# Altium PCB KlusterLab r2.0.PcbDoc (part 6 of 22)
Units mm, origin at the board's own origin, x right, y up, seen from the top; angles counter-clockwise.
Board outline 232 x 250 mm, 12 copper layers (L1 Top, L2 Inner1 (GND), L3 Inner2 (Sig), L4 Inner3 (GND), L5 Inner4 (PWR), L6 Inner5 (PWR), L7 Inner6 (PWR), L8 Inner7 (PWR), L9 Inner8 (GND), L10 Inner9 (Sig), L11 Inner10 (GND), L12 Bottom), stack 1.614 mm thick; 1169 components, 852 nets, 4679 pads, 5115 vias.
Unrouted connection lines stored in the file: 1.
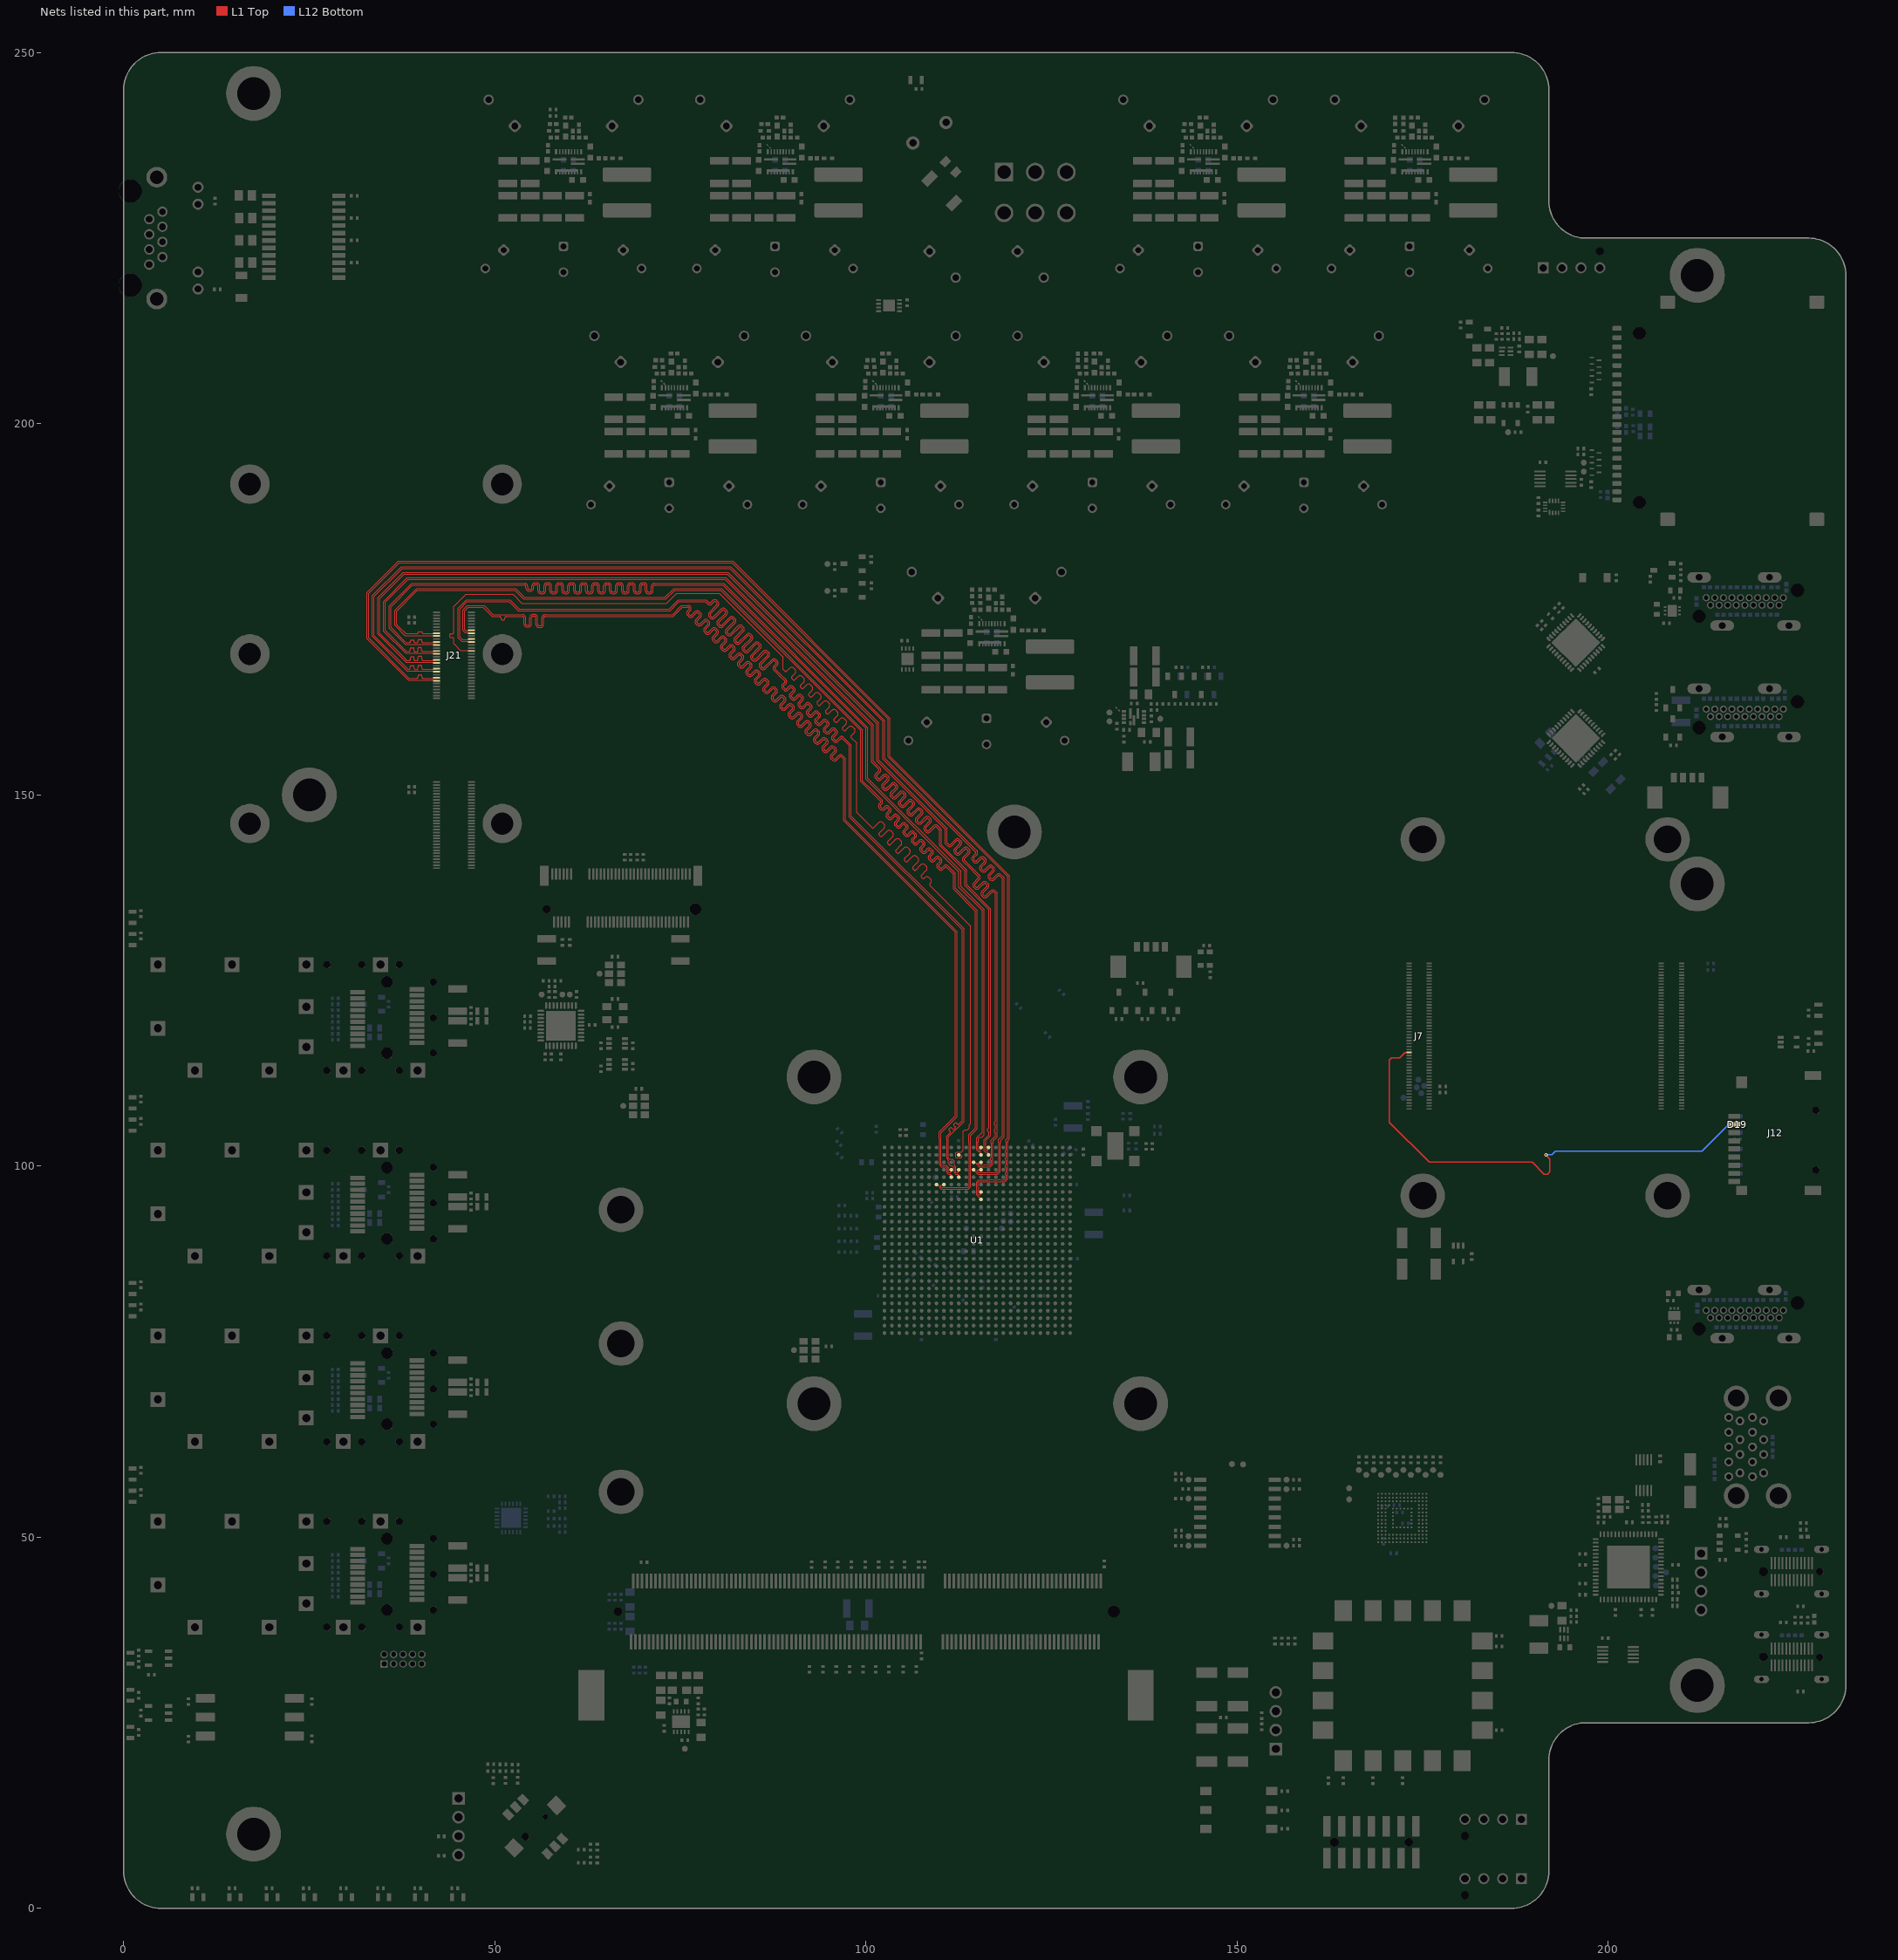
[diagram p16: the nets of this part, all layers, seen from the top]

## Via types
v1: diameter 0.45, hole 0.2, L1 Top to L12 Bottom, tented both sides, 4200 vias
v2: diameter 0.6, hole 0.3, L1 Top to L12 Bottom, tented both sides, 908 vias
v3: diameter 0.4, hole 0.2, L1 Top to L12 Bottom, tented both sides, 7 vias

## Nets (pads, with @x,y where several pads share a name; then routed paths per layer and width w, separated by ;. In a path a pad name is that pad's centre, name@x,y a point inside that pad or via, vN(x,y) a via of type N, cw(c..) or ccw(c..) an arc to the next point about the centre after c; other vN are vias at no path point) (continued)
CM4_µSD_DAT3: D19.2 J7.61 J12.2 | length 65.7
  L1 Top w0.15: J7.61@173.15,115.3 172.6,115.3 171.9,114.6 170.8,114.6 170.5,114.3 170.5,105.885 175.885,100.5 189.75,100.5 191.35,98.9 191.8,98.9 192.138,99.238 192.138,100.962 v1(191.6,101.5)
  L12 Bottom w0.15: v1(191.6,101.5) 192.4,101.5 192.9,102 212.6,102 v1(216.2,105.6) D19.2@216.975,105.6
CRUVI_A_0_N: J21.17 U1.F8 | length 166.8
  L1 Top w0.1: U1.F8@109.5,97.5 109.577,97.423 109.841,97.423 109.9,97.365 109.9,97.117 110.117,96.9 113.559,96.9 113.808,96.9 114.1,97.192 114.1,103.1 114.12,103.12
  L1 Top w0.114: J21.17@42.165,171.39 42.107,171.448 41.712,171.448 41.69,171.47 37.89,171.47 36.509,172.85 36.509,174.85 39.459,177.8 52.787,177.8 53.993,176.594 62.611,176.594 72.929,176.594 74.134,177.8 80.53,177.8 99.55,158.78 99.55,151.9 100.925,150.525 102.146,149.304 cw(c101.895,149.054) 102.146,148.803 101.938,148.595 ccw(c102.018,148.515) 101.938,148.436 102.177,148.196 ccw(c102.257,148.276) 102.336,148.196 102.601,148.46 102.606,148.46 cw(c102.815,148.175) 103.065,148.425 103.304,148.186 cw(c103.054,147.936) 103.304,147.686 102.949,147.33 ccw(c103.028,147.25) 102.948,147.171 103.188,146.931 ccw(c103.267,147.011) 103.347,146.931 103.738,147.323 103.744,147.323 cw(c103.953,147.037) 104.203,147.287 104.442,147.048 cw(c104.192,146.798) 104.442,146.548 104.087,146.193 ccw(c104.166,146.112) 104.086,146.033 104.326,145.793 ccw(c104.405,145.873) 104.485,145.793 104.876,146.185 104.882,146.185 cw(c105.091,145.899) 105.341,146.149 105.58,145.91 cw(c105.33,145.66) 105.58,145.41 105.225,145.055 ccw(c105.304,144.974) 105.224,144.895 105.464,144.655 ccw(c105.543,144.735) 105.623,144.655 106.014,145.047 106.02,145.047 cw(c106.229,144.762) 106.479,145.012 106.718,144.772 cw(c106.468,144.522) 106.718,144.272 106.362,143.917 ccw(c106.442,143.837) 106.362,143.757 106.601,143.517 ccw(c106.681,143.597) 106.761,143.518 107.152,143.909 107.158,143.909 cw(c107.367,143.624) 107.617,143.874 107.856,143.635 cw(c107.606,143.385) 107.856,143.135 107.5,142.779 ccw(c107.58,142.699) 107.5,142.619 107.739,142.38 ccw(c107.819,142.459) 107.899,142.38 108.29,142.771 108.296,142.771 cw(c108.505,142.486) 108.755,142.736 108.994,142.497 cw(c108.744,142.247) 108.994,141.997 108.638,141.641 ccw(c108.717,141.561) 108.638,141.481 108.877,141.242 ccw(c108.957,141.322) 109.036,141.242 109.428,141.633 109.434,141.633 cw(c109.643,141.348) 109.892,141.598 110.132,141.359 cw(c109.882,141.109) 110.132,140.859 109.776,140.503 ccw(c109.855,140.423) 109.775,140.343 110.015,140.104 ccw(c110.095,140.184) 110.174,140.104 110.509,140.439 cw(c110.76,140.188) 111.011,140.439 111.136,140.314 112.025,139.425 112.025,137.398 114.994,134.43 114.994,104.994 114.12,104.12 114.12,103.12
CRUVI_A_0_P: J21.15 U1.F9 | length 165.3
  L1 Top w0.1: U1.F9@110.5,97.5 110.423,97.423 110.159,97.423 110.1,97.365 110.1,97.2 110.2,97.1 113.642,97.1 113.725,97.1 113.9,97.275 113.9,103.1 113.88,103.12
  L1 Top w0.114: J21.15@42.165,171.79 42.107,171.732 41.712,171.732 41.69,171.71 40.975,171.71 40.354,171.71 cw(c40.354,171.824) 40.24,171.824 40.24,171.864 ccw(c40.128,171.864) 40.128,171.977 39.789,171.977 ccw(c39.789,171.864) 39.677,171.864 39.677,171.824 cw(c39.563,171.824) 39.563,171.71 38.4,171.71 37.99,171.71 37,172.7 36.915,172.785 36.75,172.95 36.75,174.75 39.559,177.559 52.687,177.559 53.893,176.353 73.028,176.353 74.234,177.559 80.431,177.559 99.309,158.681 99.309,151.9 99.309,151.8 100.755,150.355 101.975,149.134 cw(c101.895,149.054) 101.975,148.973 101.768,148.765 ccw(c102.018,148.515) 101.768,148.265 102.006,148.027 ccw(c102.257,148.276) 102.507,148.026 102.735,148.254 cw(c102.815,148.175) 102.895,148.255 103.134,148.016 cw(c103.054,147.936) 103.134,147.856 102.743,147.465 102.743,147.459 ccw(c103.028,147.25) 102.779,147 103.017,146.761 ccw(c103.267,147.011) 103.517,146.761 103.873,147.117 cw(c103.953,147.037) 104.033,147.117 104.272,146.878 cw(c104.192,146.798) 104.272,146.718 103.881,146.327 103.881,146.321 ccw(c104.166,146.112) 103.917,145.862 104.155,145.624 ccw(c104.405,145.873) 104.655,145.623 105.011,145.979 cw(c105.091,145.899) 105.171,145.979 105.41,145.74 cw(c105.33,145.66) 105.41,145.581 105.019,145.189 105.019,145.183 ccw(c105.304,144.974) 105.054,144.724 105.293,144.486 ccw(c105.543,144.735) 105.793,144.485 106.149,144.841 cw(c106.229,144.762) 106.309,144.841 106.548,144.602 cw(c106.468,144.522) 106.548,144.443 106.156,144.051 106.156,144.045 ccw(c106.442,143.837) 106.192,143.586 106.43,143.348 ccw(c106.681,143.597) 106.931,143.347 107.287,143.703 cw(c107.367,143.624) 107.446,143.703 107.686,143.464 cw(c107.606,143.385) 107.686,143.305 107.294,142.913 107.294,142.908 ccw(c107.58,142.699) 107.33,142.448 107.568,142.21 ccw(c107.819,142.459) 108.069,142.209 108.424,142.565 cw(c108.505,142.486) 108.584,142.566 108.824,142.326 cw(c108.744,142.247) 108.824,142.167 108.432,141.776 108.432,141.77 ccw(c108.717,141.561) 108.468,141.31 108.706,141.072 ccw(c108.957,141.322) 109.207,141.072 109.562,141.427 cw(c109.643,141.348) 109.722,141.428 109.961,141.189 cw(c109.882,141.109) 109.961,141.029 109.57,140.638 109.57,140.632 ccw(c109.855,140.423) 109.606,140.172 109.844,139.934 ccw(c110.095,140.184) 110.345,139.934 110.68,140.269 cw(c110.76,140.188) 110.841,140.269 110.966,140.143 111.784,139.325 111.784,137.298 114.753,134.33 114.753,112 114.753,105.093 113.88,104.22 113.88,103.12
CRUVI_A_1_N: J21.23 U1.A14 | length 169
  L1 Top w0.114: J21.23@42.165,170.19 42.107,170.248 41.712,170.248 41.69,170.27 37.94,170.27 35.75,172.459 35.75,175.441 38.811,178.502 52.3,178.502 54.022,178.502 cw(c54.022,178.092) 54.432,178.092 54.432,177.858 ccw(c54.601,177.858) 54.601,177.689 54.827,177.689 ccw(c54.827,177.858) 54.996,177.858 54.996,178.146 cw(c55.406,178.146) 55.406,178.556 55.631,178.556 cw(c55.631,178.146) 56.041,178.146 56.041,177.516 ccw(c56.21,177.516) 56.21,177.347 56.436,177.347 ccw(c56.436,177.516) 56.605,177.516 56.605,178.146 cw(c57.015,178.146) 57.015,178.556 57.24,178.556 cw(c57.24,178.146) 57.65,178.146 57.65,177.516 ccw(c57.82,177.516) 57.82,177.347 58.045,177.347 ccw(c58.045,177.516) 58.214,177.516 58.214,178.146 cw(c58.624,178.146) 58.624,178.556 58.85,178.556 cw(c58.85,178.146) 59.26,178.146 59.26,177.516 ccw(c59.429,177.516) 59.429,177.347 59.654,177.347 ccw(c59.654,177.516) 59.823,177.516 59.823,178.146 cw(c60.233,178.146) 60.233,178.556 60.459,178.556 cw(c60.459,178.146) 60.869,178.146 60.869,177.516 ccw(c61.038,177.516) 61.038,177.347 61.263,177.347 ccw(c61.263,177.516) 61.433,177.516 61.433,178.146 cw(c61.843,178.146) 61.843,178.556 62.068,178.556 cw(c62.068,178.146) 62.478,178.146 62.478,177.516 ccw(c62.647,177.516) 62.647,177.347 62.873,177.347 ccw(c62.873,177.516) 63.042,177.516 63.042,178.146 cw(c63.452,178.146) 63.452,178.556 63.677,178.556 cw(c63.677,178.146) 64.087,178.146 64.087,177.516 ccw(c64.256,177.516) 64.256,177.347 64.482,177.347 ccw(c64.482,177.516) 64.651,177.516 64.651,178.146 cw(c65.061,178.146) 65.061,178.556 65.286,178.556 cw(c65.286,178.146) 65.696,178.146 65.696,177.516 ccw(c65.866,177.516) 65.866,177.347 66.091,177.347 ccw(c66.091,177.516) 66.26,177.516 66.26,178.146 cw(c66.67,178.146) 66.67,178.556 66.896,178.556 cw(c66.896,178.146) 67.306,178.146 67.306,177.516 ccw(c67.475,177.516) 67.475,177.347 67.7,177.347 ccw(c67.7,177.516) 67.869,177.516 67.869,178.146 cw(c68.279,178.146) 68.279,178.556 68.505,178.556 cw(c68.505,178.146) 68.915,178.146 68.915,177.516 ccw(c69.084,177.516) 69.084,177.347 69.309,177.347 ccw(c69.309,177.516) 69.479,177.516 69.479,178.146 cw(c69.888,178.146) 69.888,178.556 70.114,178.556 cw(c70.114,178.146) 70.524,178.146 70.524,177.516 ccw(c70.693,177.516) 70.693,177.347 70.919,177.347 ccw(c70.919,177.516) 71.088,177.516 71.088,178.092 cw(c71.498,178.092) 71.498,178.502 71.675,178.502 80.821,178.502 100.252,159.071 100.252,152.223 112.774,139.701 112.774,137.655 115.894,134.535 115.894,104.153 115.594,103.853 115.294,103.853 115.134,103.694 115.134,103.214 115.121,103.2 115.121,102.276 115.265,102.132 115.359,102.132 115.426,102.198 115.426,102.426 U1.A14@115.5,102.5
CRUVI_A_1_P: J21.21 U1.B14 | length 169.1
  L1 Top w0.114: J21.21@42.165,170.59 42.107,170.532 41.712,170.532 41.69,170.51 40.894,170.51 40.323,170.51 cw(c40.323,170.665) 40.169,170.665 40.169,170.782 ccw(c40.015,170.782) 40.015,170.936 39.809,170.936 ccw(c39.809,170.782) 39.655,170.782 39.655,170.638 cw(c39.501,170.638) 39.501,170.483 39.296,170.483 cw(c39.296,170.638) 39.141,170.638 39.141,170.716 ccw(c38.987,170.716) 38.987,170.87 38.782,170.87 ccw(c38.782,170.716) 38.628,170.716 38.628,170.665 cw(c38.474,170.665) 38.474,170.51 38.04,170.51 37.8,170.75 35.991,172.559 35.991,175.341 38.911,178.261 52.3,178.261 54.022,178.261 cw(c54.022,178.092) 54.191,178.092 54.191,177.858 ccw(c54.601,177.858) 54.601,177.448 54.827,177.448 ccw(c54.827,177.858) 55.237,177.858 55.237,178.146 cw(c55.406,178.146) 55.406,178.315 55.631,178.315 cw(c55.631,178.146) 55.8,178.146 55.8,177.516 ccw(c56.21,177.516) 56.21,177.106 56.436,177.106 ccw(c56.436,177.516) 56.846,177.516 56.846,178.146 cw(c57.015,178.146) 57.015,178.315 57.24,178.315 cw(c57.24,178.146) 57.41,178.146 57.41,177.516 ccw(c57.82,177.516) 57.82,177.106 58.045,177.106 ccw(c58.045,177.516) 58.455,177.516 58.455,178.146 cw(c58.624,178.146) 58.624,178.315 58.85,178.315 cw(c58.85,178.146) 59.019,178.146 59.019,177.516 ccw(c59.429,177.516) 59.429,177.106 59.654,177.106 ccw(c59.654,177.516) 60.064,177.516 60.064,178.146 cw(c60.233,178.146) 60.233,178.315 60.459,178.315 cw(c60.459,178.146) 60.628,178.146 60.628,177.516 ccw(c61.038,177.516) 61.038,177.106 61.263,177.106 ccw(c61.263,177.516) 61.673,177.516 61.673,178.146 cw(c61.843,178.146) 61.843,178.315 62.068,178.315 cw(c62.068,178.146) 62.237,178.146 62.237,177.516 ccw(c62.647,177.516) 62.647,177.106 62.873,177.106 ccw(c62.873,177.516) 63.283,177.516 63.283,178.146 cw(c63.452,178.146) 63.452,178.315 63.677,178.315 cw(c63.677,178.146) 63.846,178.146 63.846,177.516 ccw(c64.256,177.516) 64.256,177.106 64.482,177.106 ccw(c64.482,177.516) 64.892,177.516 64.892,178.146 cw(c65.061,178.146) 65.061,178.315 65.286,178.315 cw(c65.286,178.146) 65.456,178.146 65.456,177.516 ccw(c65.866,177.516) 65.866,177.106 66.091,177.106 ccw(c66.091,177.516) 66.501,177.516 66.501,178.146 cw(c66.67,178.146) 66.67,178.315 66.896,178.315 cw(c66.896,178.146) 67.065,178.146 67.065,177.516 ccw(c67.475,177.516) 67.475,177.106 67.7,177.106 ccw(c67.7,177.516) 68.11,177.516 68.11,178.146 cw(c68.279,178.146) 68.279,178.315 68.505,178.315 cw(c68.505,178.146) 68.674,178.146 68.674,177.516 ccw(c69.084,177.516) 69.084,177.106 69.309,177.106 ccw(c69.309,177.516) 69.719,177.516 69.719,178.146 cw(c69.888,178.146) 69.888,178.315 70.114,178.315 cw(c70.114,178.146) 70.283,178.146 70.283,177.516 ccw(c70.693,177.516) 70.693,177.106 70.919,177.106 ccw(c70.919,177.516) 71.329,177.516 71.329,178.092 cw(c71.498,178.092) 71.498,178.261 71.675,178.261 80.721,178.261 100.011,158.971 100.011,152.223 100.011,152.124 112.533,139.601 112.533,137.555 115.653,134.435 115.653,112 115.653,104.553 114.893,103.793 114.893,103.214 114.907,103.2 114.907,102.187 115.177,101.918 115.359,101.918 115.426,101.851 115.426,101.574 U1.B14@115.5,101.5
CRUVI_A_2_N: J21.29 U1.A15 | length 169.4
  L1 Top w0.114: J21.29@42.165,168.99 42.107,169.048 41.712,169.048 41.69,169.07 37.99,169.07 35,172.059 35,176.041 38.209,179.25 81.131,179.25 101,159.381 101,154.5 101.28,154.22 101.37,154.13 101.873,153.627 cw(c101.583,153.338) 101.873,153.048 101.455,152.63 ccw(c101.575,152.511) 101.455,152.391 101.615,152.231 ccw(c101.734,152.351) 101.854,152.232 102.314,152.692 102.319,152.692 cw(c102.569,152.367) 102.859,152.657 103.018,152.498 cw(c102.728,152.208) 103.018,151.918 102.377,151.276 ccw(c102.496,151.156) 102.376,151.036 102.536,150.877 ccw(c102.655,150.996) 102.775,150.877 103.452,151.554 103.457,151.554 cw(c103.707,151.229) 103.997,151.519 104.156,151.36 cw(c103.866,151.07) 104.156,150.78 103.514,150.138 ccw(c103.633,150.018) 103.514,149.899 103.673,149.739 ccw(c103.793,149.859) 103.913,149.739 104.59,150.417 104.595,150.417 cw(c104.845,150.091) 105.135,150.381 105.294,150.222 cw(c105.004,149.932) 105.294,149.642 104.652,149 ccw(c104.771,148.88) 104.652,148.761 104.811,148.601 ccw(c104.931,148.721) 105.05,148.601 105.728,149.279 105.733,149.279 cw(c105.983,148.954) 106.272,149.243 106.432,149.084 cw(c106.142,148.794) 106.432,148.504 105.79,147.862 ccw(c105.909,147.742) 105.789,147.623 105.949,147.463 ccw(c106.069,147.583) 106.188,147.463 106.866,148.141 106.871,148.141 cw(c107.12,147.816) 107.41,148.106 107.57,147.946 cw(c107.28,147.656) 107.57,147.366 106.928,146.725 ccw(c107.047,146.604) 106.927,146.485 107.087,146.325 ccw(c107.207,146.445) 107.326,146.325 108.004,147.003 108.009,147.003 cw(c108.258,146.678) 108.548,146.968 108.708,146.808 cw(c108.418,146.518) 108.708,146.229 108.066,145.587 ccw(c108.185,145.467) 108.065,145.347 108.225,145.187 ccw(c108.344,145.307) 108.464,145.188 109.098,145.822 cw(c109.388,145.532) 109.678,145.822 109.713,145.787 109.803,145.697 110.184,145.316 110.184,143.266 113.548,139.902 113.548,137.872 116.794,134.627 116.794,104.1 116.134,103.441 116.134,103.104 116.121,103.091 116.121,102.174 116.187,102.107 116.359,102.107 116.426,102.174 116.426,102.426 U1.A15@116.5,102.5
CRUVI_A_2_P: J21.27 U1.B15 | length 170.4
  L1 Top w0.114: J21.27@42.165,169.39 42.107,169.332 41.712,169.332 41.69,169.31 40.875,169.31 40.304,169.31 cw(c40.304,169.465) 40.15,169.465 40.15,169.715 ccw(c39.996,169.715) 39.996,169.869 39.79,169.869 ccw(c39.79,169.715) 39.636,169.715 39.636,169.438 cw(c39.482,169.438) 39.482,169.283 39.277,169.283 cw(c39.277,169.438) 39.123,169.438 39.123,169.662 ccw(c38.968,169.662) 38.968,169.816 38.763,169.816 ccw(c38.763,169.662) 38.609,169.662 38.609,169.465 cw(c38.455,169.465) 38.455,169.31 38.09,169.31 37.579,169.821 35.241,172.159 35.241,175.941 38.309,179.009 81.031,179.009 100.759,159.281 100.759,154.5 100.759,154.4 101.109,154.05 101.199,153.96 101.702,153.457 cw(c101.583,153.338) 101.702,153.218 101.285,152.801 ccw(c101.575,152.511) 101.285,152.22 101.444,152.062 ccw(c101.734,152.351) 102.024,152.061 102.449,152.486 ; 102.449,152.487 cw(c102.569,152.367) 102.689,152.487 102.848,152.327 cw(c102.728,152.208) 102.848,152.088 102.17,151.411 102.17,151.406 ccw(c102.496,151.156) 102.206,150.866 102.365,150.707 ccw(c102.655,150.996) 102.945,150.707 103.587,151.348 ; 103.587,151.349 cw(c103.707,151.229) 103.826,151.349 103.986,151.189 cw(c103.866,151.07) 103.986,150.95 103.308,150.273 103.308,150.268 ccw(c103.633,150.018) 103.344,149.728 103.503,149.569 ccw(c103.793,149.859) 104.083,149.569 104.725,150.211 ; 104.725,150.211 cw(c104.845,150.091) 104.964,150.211 105.124,150.052 cw(c105.004,149.932) 105.124,149.812 104.446,149.135 104.446,149.13 ccw(c104.771,148.88) 104.482,148.59 104.64,148.431 ccw(c104.931,148.721) 105.221,148.431 105.863,149.073 ; 105.863,149.073 cw(c105.983,148.954) 106.102,149.073 ; 106.102,149.073 106.262,148.914 cw(c106.142,148.794) 106.262,148.675 105.584,147.997 105.584,147.992 ccw(c105.909,147.742) 105.62,147.452 105.778,147.293 ccw(c106.069,147.583) 106.359,147.293 107,147.935 ; 107.001,147.935 cw(c107.12,147.816) 107.24,147.935 107.4,147.776 cw(c107.28,147.656) 107.4,147.537 106.722,146.859 106.722,146.854 ccw(c107.047,146.604) 106.758,146.314 106.916,146.156 ccw(c107.207,146.445) 107.496,146.155 108.138,146.797 ; 108.139,146.797 cw(c108.258,146.678) 108.378,146.797 108.537,146.638 cw(c108.418,146.518) 108.537,146.399 107.86,145.721 107.86,145.716 ccw(c108.185,145.467) 107.896,145.176 108.054,145.018 ccw(c108.344,145.307) 108.634,145.017 109.269,145.652 cw(c109.388,145.532) 109.508,145.652 109.543,145.616 109.633,145.526 109.943,145.217 109.943,143.167 113.307,139.802 113.307,137.772 116.553,134.527 116.553,112 116.553,105.153 116.4,105 116.4,104.7 116.553,104.547 116.553,104.162 115.893,103.502 115.893,103.104 115.907,103.091 115.907,102.085 116.099,101.893 116.359,101.893 116.426,101.826 116.426,101.574 U1.B15@116.5,101.5
CRUVI_A_3_N: J21.35 U1.C13 | length 171.1
  L1 Top w0.1: U1.C13@114.5,100.5 114.577,100.423 114.863,100.423 114.902,100.384 114.902,100.223 115.225,99.9 116.749,99.9 117.1,100.251 117.1,103.117 117.12,103.138
  L1 Top w0.114: J21.35@42.165,167.79 42.107,167.848 41.712,167.848 41.69,167.87 38.04,167.87 34.25,171.659 34.25,176.541 37.659,179.95 81.321,179.95 81.421,179.95 101.7,159.671 101.7,154.7 110.932,145.468 110.932,143.53 111.017,143.446 111.107,143.355 111.142,143.32 ccw(c111.262,143.44) 111.381,143.32 112.072,144.011 112.077,144.011 cw(c112.327,143.686) 112.616,143.976 112.776,143.816 cw(c112.486,143.526) 112.776,143.236 112.111,142.572 ; 112.111,142.571 ccw(c112.23,142.452) 112.111,142.332 112.27,142.172 ccw(c112.39,142.292) 112.509,142.173 113.17,142.833 cw(c113.459,142.543) 113.749,142.833 113.909,142.673 cw(c113.619,142.383) 113.909,142.093 113.258,141.443 ccw(c113.378,141.323) 113.258,141.204 113.523,140.939 113.614,140.849 113.686,140.776 ; 113.686,140.776 113.776,140.686 115.285,139.177 cw(c114.995,138.887) 115.285,138.597 114.663,137.976 ccw(c114.783,137.856) 114.663,137.737 114.823,137.577 ccw(c114.943,137.697) 115.062,137.577 115.732,138.247 115.737,138.247 cw(c115.987,137.922) 116.276,138.212 116.436,138.052 cw(c116.146,137.762) 116.436,137.473 115.764,136.801 ; 115.763,136.8 ccw(c115.883,136.68) 115.763,136.561 115.923,136.401 ccw(c116.042,136.521) 116.162,136.401 116.822,137.061 cw(c117.111,136.771) 117.401,137.061 117.437,137.026 117.527,136.936 117.694,136.769 117.694,103.953 117.12,103.38 117.12,103.138
CRUVI_A_3_P: J21.33 U1.C14 | length 171.2
  L1 Top w0.1: U1.C14@115.5,100.5 115.423,100.423 115.137,100.423 115.102,100.389 115.102,100.306 115.308,100.1 115.8,100.1 115.9,100.2 116.2,100.2 116.3,100.1 116.666,100.1 116.9,100.334 116.9,100.7 116.8,100.8 116.8,101.1 116.9,101.2 116.9,101.334 116.9,103.117 116.88,103.138
  L1 Top w0.114: J21.33@42.165,168.19 42.107,168.132 41.712,168.132 41.69,168.11 40.9,168.11 40.329,168.11 cw(c40.329,168.265) 40.175,168.265 40.175,168.512 ccw(c40.021,168.512) 40.021,168.666 39.815,168.666 ccw(c39.815,168.512) 39.661,168.512 39.661,168.238 cw(c39.507,168.238) 39.507,168.083 39.302,168.083 cw(c39.302,168.238) 39.148,168.238 39.148,168.444 ccw(c38.993,168.444) 38.993,168.599 38.788,168.599 ccw(c38.788,168.444) 38.634,168.444 38.634,168.265 cw(c38.48,168.265) 38.48,168.11 38.14,168.11 37.641,168.609 34.491,171.759 34.491,176.441 37.759,179.709 81.321,179.709 101.459,159.571 101.459,154.6 110.691,145.368 110.691,143.43 110.846,143.275 110.937,143.185 110.971,143.15 ccw(c111.262,143.44) 111.552,143.15 112.206,143.805 ; 112.207,143.805 cw(c112.327,143.686) 112.446,143.805 112.606,143.646 cw(c112.486,143.526) 112.606,143.407 111.905,142.706 111.905,142.701 ccw(c112.23,142.452) 111.941,142.161 112.099,142.003 ccw(c112.39,142.292) 112.68,142.002 113.34,142.662 cw(c113.459,142.543) 113.579,142.662 113.738,142.503 cw(c113.619,142.383) 113.738,142.264 113.088,141.613 ccw(c113.378,141.323) 113.089,141.033 113.353,140.768 113.443,140.678 113.516,140.606 113.606,140.516 115.115,139.007 cw(c114.995,138.887) 115.115,138.768 114.493,138.146 ccw(c114.783,137.856) 114.494,137.566 114.652,137.407 ccw(c114.943,137.697) 115.232,137.407 115.866,138.041 ; 115.867,138.041 cw(c115.987,137.922) 116.106,138.041 116.266,137.882 cw(c116.146,137.762) 116.266,137.643 115.558,136.935 115.558,136.93 ccw(c115.883,136.68) 115.594,136.39 115.752,136.232 ccw(c116.042,136.521) 116.332,136.231 116.992,136.891 cw(c117.111,136.771) 117.231,136.891 117.266,136.855 117.356,136.765 117.453,136.669 117.453,112 117.453,106.035 117.3,105.883 117.3,105.583 117.453,105.43 117.453,105.044 117.3,104.891 117.3,104.591 117.453,104.438 117.453,104.053 116.88,103.48 116.88,103.138